# Altium PCB PicoHAL.pcbdoc (part 3 of 5)
Units mm, origin at the board's own origin, x right, y up, seen from the top; angles counter-clockwise.
Board outline 53.34 x 73.15 mm, 4 copper layers (Top Layer, GND, PWR, Bottom Layer), stack 1.807 mm thick; 173 components, 120 nets, 5460 pads, 269 vias.
Unrouted connection lines stored in the file: 1.
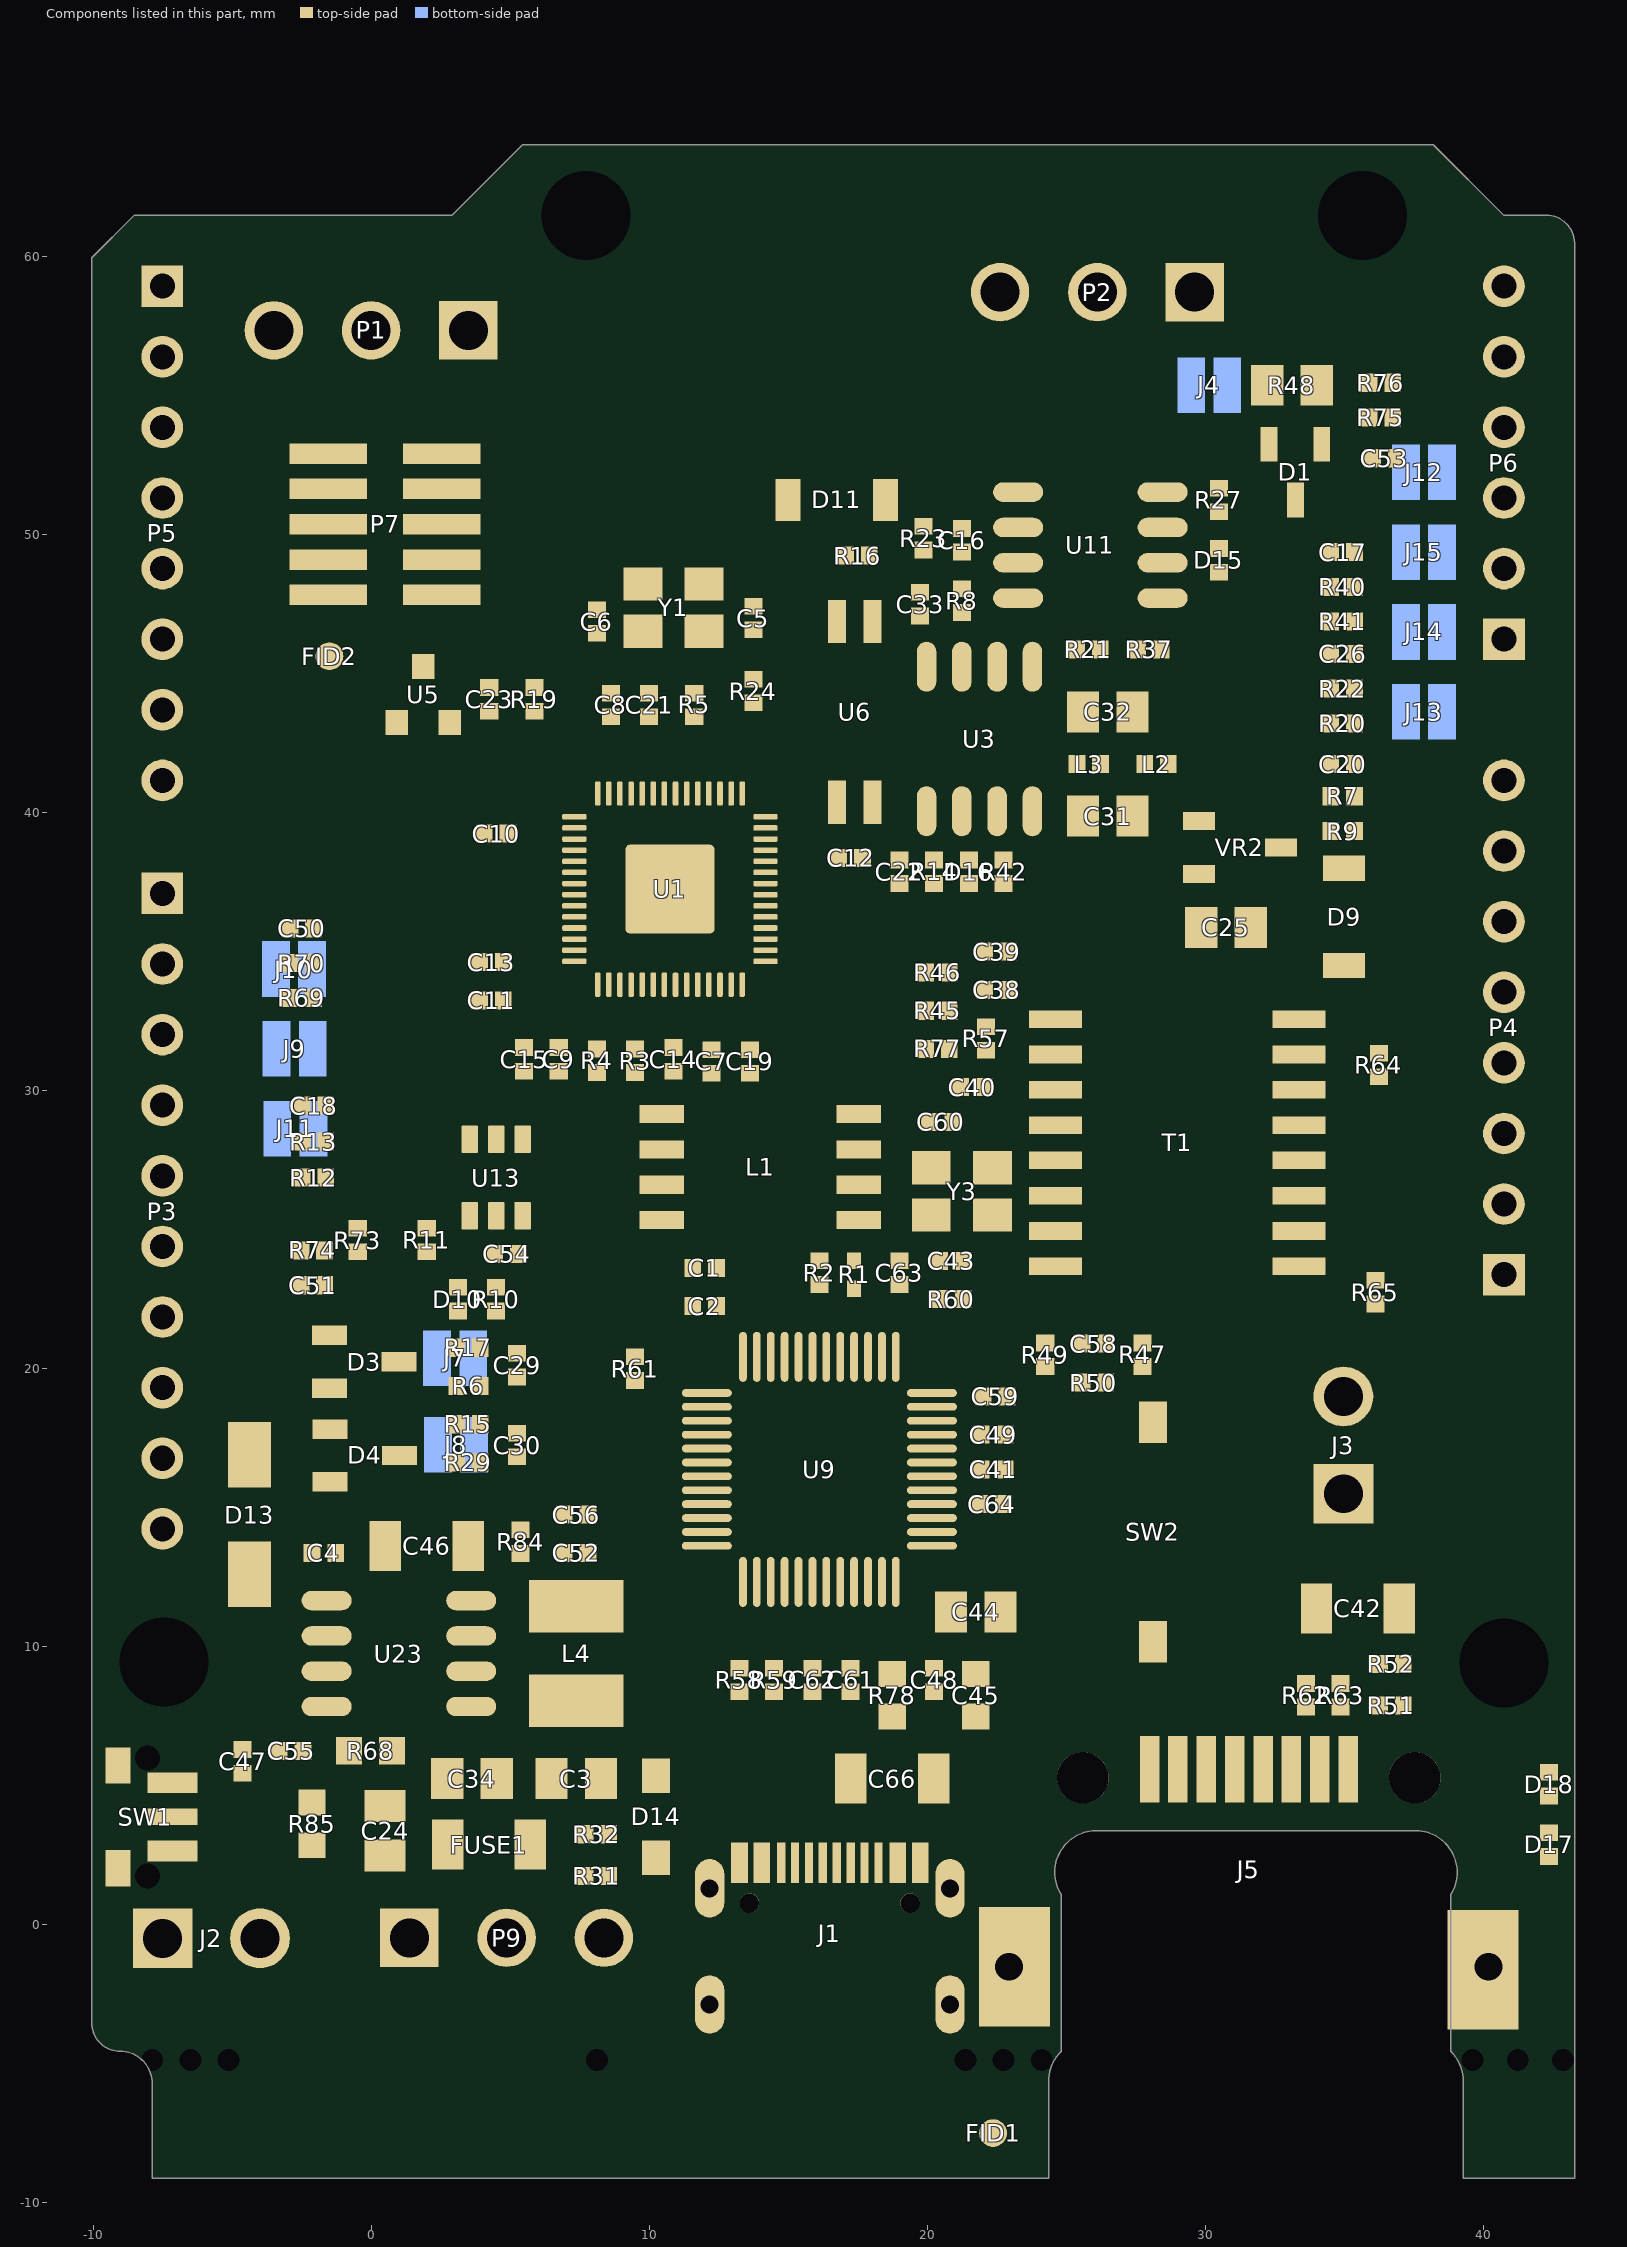
[diagram p5: the components of this part, seen from the top]

## Free pads (board coordinates) (continued)
  round 0.024 on Bottom Overlay: 1(10.134,43.701) 1(10.134,43.701) 1(10.14,43.675) 1(10.14,43.675) 1(10.179,43.636) 1(10.179,43.636) 1(10.179,43.714) 1(10.179,43.714) 1(10.237,43.61) 1(10.237,43.61) 1(10.282,43.578) 1(10.282,43.578) 1(10.327,43.565) 1(10.327,43.565) 1(10.34,43.694) 1(10.34,43.694) 1(10.379,43.533) 1(10.379,43.533) 1(10.411,43.527) 1(10.411,43.527) 1(10.424,43.514) 1(10.424,43.514) 1(10.456,43.507) 1(10.456,43.507) 1(10.521,43.649) 1(10.521,43.649) 1(10.559,43.449) 1(10.559,43.449) 1(10.592,43.443) 1(10.592,43.443) 1(10.624,43.424) 1(10.624,43.424) 1(10.656,43.417) 1(10.656,43.417) 1(10.669,43.404) 1(10.669,43.404) 1(10.701,43.398) 1(10.701,43.398) 1(10.727,43.378) 1(10.727,43.378) 1(10.759,43.372) 1(10.759,43.372) 1(10.759,43.591) 1(10.759,43.591) 1(10.804,43.346) 1(10.804,43.346) 1(10.836,43.339) 1(10.836,43.339) 1(10.85,43.327) 1(10.85,43.327) 1(10.882,43.32) 1(10.882,43.32) 1(10.907,40.051) 1(10.907,40.051) 1(10.914,40.071) 1(10.914,40.071) 1(10.914,40.161) 1(10.914,40.161) 1(10.914,43.301) 1(10.914,43.301) 1(10.921,40.071) 1(10.921,40.071) 1(10.921,40.148) 1(10.921,40.148) 1(10.927,40.155) 1(10.927,40.155) 1(10.927,40.161) 1(10.927,40.161) 1(10.927,40.116) 1(10.927,40.116) 1(10.933,40.116) 1(10.933,40.116) 1(10.933,40.18) 1(10.933,40.18) 1(10.946,43.295) 1(10.946,43.295) 1(10.946,40.18) 1(10.946,40.18) 1(10.959,40.064) 1(10.959,40.064) 1(10.998,40.239) 1(10.998,40.239) 1(10.998,43.269) 1(10.998,43.269) 1(11.004,40.09) 1(11.004,40.09) 1(11.011,40.239) 1(11.011,40.239) 1(11.017,40.11) 1(11.017,40.11) 1(11.03,43.262) 1(11.03,43.262) 1(11.036,40.116) 1(11.036,40.116) 1(11.055,40.136) 1(11.055,40.136) 1(11.062,43.243) 1(11.062,43.243) 1(11.069,40.303) 1(11.069,40.303) 1(11.082,40.303) 1(11.082,40.303) 1(11.094,43.237) 1(11.094,43.237) 1(11.101,40.155) 1(11.101,40.155) 1(11.107,43.224) 1(11.107,43.224) 1(11.12,40.348) 1(11.12,40.348) 1(11.126,40.18) 1(11.126,40.18) 1(11.133,40.348) 1(11.133,40.348) 1(11.14,43.217) 1(11.14,43.217) 1(11.146,40.187) 1(11.146,40.187) 1(11.152,40.2) 1(11.152,40.2) 1(11.172,43.198) 1(11.172,43.198) 1(11.172,40.207) 1(11.172,40.207) 1(11.198,40.232) 1(11.198,40.232) 1(11.204,43.191) 1(11.204,43.191) 1(11.217,40.239) 1(11.217,40.239) 1(11.236,43.172) 1(11.236,43.172) 1(11.243,40.264) 1(11.243,40.264) 1(11.262,40.271) 1(11.262,40.271) 1(11.269,40.284) 1(11.269,40.284) 1(11.269,40.49) 1(11.269,40.49) 1(11.269,43.166) 1(11.269,43.166) 1(11.281,40.49) 1(11.281,40.49) 1(11.288,40.29) 1(11.288,40.29) 1(11.294,40.303) 1(11.294,40.303) 1(11.313,40.309) 1(11.313,40.309) 1(11.32,40.322) 1(11.32,40.322) 1(11.32,40.535) 1(11.32,40.535) 1(11.32,43.14) 1(11.32,43.14) 1(11.333,40.535) 1(11.333,40.535) 1(11.34,40.329) 1(11.34,40.329) 1(11.352,40.348) 1(11.352,40.348) 1(11.352,43.133) 1(11.352,43.133) 1(11.365,43.43) 1(11.365,43.43) 1(11.372,40.355) 1(11.372,40.355) 1(11.378,40.368) 1(11.378,40.368) 1(11.384,43.114) 1(11.384,43.114) 1(11.397,40.374) 1(11.397,40.374) 1(11.41,43.424) 1(11.41,43.424) 1(11.41,40.393) 1(11.41,40.393) 1(11.417,43.108) 1(11.417,43.108) 1(11.423,40.632) 1(11.423,40.632) 1(11.43,40.4) 1(11.43,40.4) 1(11.436,40.632) 1(11.436,40.632) 1(11.449,43.088) 1(11.449,43.088) 1(11.455,40.426) 1(11.455,40.426) 1(11.455,43.404) 1(11.455,43.404) 1(11.475,40.432) 1(11.475,40.432) 1(11.481,40.445) 1(11.481,40.445) 1(11.481,43.082) 1(11.481,43.082) 1(11.501,40.451) 1(11.501,40.451) 1(11.513,43.062) 1(11.513,43.062) 1(11.526,40.477) 1(11.526,40.477) 1(11.526,43.391) 1(11.526,43.391) 1(11.546,40.484) 1(11.546,40.484) 1(11.546,40.748) 1(11.546,40.748) 1(11.546,43.056) 1(11.546,43.056) 1(11.552,40.497) 1(11.552,40.497) 1(11.559,40.748) 1(11.559,40.748) 1(11.571,40.503) 1(11.571,40.503) 1(11.571,43.372) 1(11.571,43.372) 1(11.578,40.516) 1(11.578,40.516) 1(11.578,43.037) 1(11.578,43.037) 1(11.597,40.522) 1(11.597,40.522) 1(11.61,43.03) 1(11.61,43.03) 1(11.617,40.812) 1(11.617,40.812) 1(11.617,43.366) 1(11.617,43.366) 1(11.623,40.548) 1(11.623,40.548) 1(11.63,40.812) 1(11.63,40.812) 1(11.642,40.555) 1(11.642,40.555) 1(11.642,43.011) 1(11.642,43.011) 1(11.649,40.567) 1(11.649,40.567) 1(11.662,43.346) 1(11.662,43.346) 1(11.668,40.574) 1(11.668,40.574) 1(11.675,40.587) 1(11.675,40.587) 1(11.675,40.864) 1(11.675,40.864) 1(11.675,43.005) 1(11.675,43.005) 1(11.688,40.864) 1(11.688,40.864) 1(11.694,40.593) 1(11.694,40.593) 1(11.707,42.985) 1(11.707,42.985) 1(11.707,43.339) 1(11.707,43.339) 1(11.72,40.619) 1(11.72,40.619) 1(11.739,40.626) 1(11.739,40.626) 1(11.746,40.638) 1(11.746,40.638) 1(11.752,43.32) 1(11.752,43.32) 1(11.765,40.645) 1(11.765,40.645) 1(11.771,40.658) 1(11.771,40.658) 1(11.778,42.966) 1(11.778,42.966) 1(11.791,40.664) 1(11.791,40.664) 1(11.797,43.314) 1(11.797,43.314) 1(11.797,40.677) 1(11.797,40.677) 1(11.817,40.684) 1(11.817,40.684) 1(11.823,40.696) 1(11.823,40.696) 1(11.836,41.018) 1(11.836,41.018) 1(11.842,40.703) 1(11.842,40.703) 1(11.842,43.295) 1(11.842,43.295) 1(11.849,40.716) 1(11.849,40.716) 1(11.849,41.018) 1(11.849,41.018) 1(11.849,42.934) 1(11.849,42.934) 1(11.868,40.722) 1(11.868,40.722) 1(11.875,40.735) 1(11.875,40.735) 1(11.888,43.288) 1(11.888,43.288) 1(11.888,41.064) 1(11.888,41.064) 1(11.894,40.741) 1(11.894,40.741) 1(11.9,40.755) 1(11.9,40.755) 1(11.9,41.064) 1(11.9,41.064) 1(11.92,42.914) 1(11.92,42.914) 1(11.92,40.761) 1(11.92,40.761) 1(11.926,40.774) 1(11.926,40.774) 1(11.932,43.269) 1(11.932,43.269) 1(11.946,40.78) 1(11.946,40.78) 1(11.952,40.793) 1(11.952,40.793) 1(11.971,40.799) 1(11.971,40.799) 1(11.978,41.147) 1(11.978,41.147) 1(11.978,43.262) 1(11.978,43.262) 1(11.984,40.819) 1(11.984,40.819) 1(11.99,42.882) 1(11.99,42.882) 1(11.99,41.147) 1(11.99,41.147) 1(12.003,40.825) 1(12.003,40.825) 1(12.023,43.243) 1(12.023,43.243) 1(12.029,40.851) 1(12.029,40.851) 1(12.049,40.857) 1(12.049,40.857) 1(12.055,40.87) 1(12.055,40.87) 1(12.074,40.877) 1(12.074,40.877) 1(12.081,40.89) 1(12.081,40.89) 1(12.094,43.23) 1(12.094,43.23) 1(12.1,40.896) 1(12.1,40.896) 1(12.107,40.909) 1(12.107,40.909) 1(12.113,41.276) 1(12.113,41.276) 1(12.113,43.217) 1(12.113,43.217) 1(12.126,40.916) 1(12.126,40.916) 1(12.126,41.276) 1(12.126,41.276) 1(12.139,42.837) 1(12.139,42.837) 1(12.152,40.941) 1(12.152,40.941) 1(12.158,43.211) 1(12.158,43.211) 1(12.171,40.948) 1(12.171,40.948) 1(12.171,42.818) 1(12.171,42.818) 1(12.178,40.961) 1(12.178,40.961) 1(12.19,41.347) 1(12.19,41.347) 1(12.197,40.967) 1(12.197,40.967) 1(12.203,40.98) 1(12.203,40.98) 1(12.203,41.347) 1(12.203,41.347) 1(12.203,42.811) 1(12.203,42.811) 1(12.203,43.191) 1(12.203,43.191) 1(12.223,40.986) 1(12.223,40.986) 1(12.229,40.999) 1(12.229,40.999) 1(12.236,42.791) 1(12.236,42.791) 1(12.248,41.006) 1(12.248,41.006) 1(12.248,43.185) 1(12.248,43.185) 1(12.255,41.018) 1(12.255,41.018) 1(12.268,43.172) 1(12.268,43.172) 1(12.274,41.025) 1(12.274,41.025) 1(12.28,41.038) 1(12.28,41.038) 1(12.3,41.045) 1(12.3,41.045) 1(12.307,41.057) 1(12.307,41.057) 1(12.313,43.166) 1(12.313,43.166) 1(12.326,41.064) 1(12.326,41.064) 1(12.332,41.077) 1(12.332,41.077) 1(12.352,41.083) 1(12.352,41.083) 1(12.352,41.502) 1(12.352,41.502) 1(12.358,41.096) 1(12.358,41.096) 1(12.358,43.146) 1(12.358,43.146) 1(12.365,41.502) 1(12.365,41.502) 1(12.377,41.103) 1(12.377,41.103) 1(12.403,41.128) 1(12.403,41.128) 1(12.403,43.14) 1(12.403,43.14) 1(12.423,41.135) 1(12.423,41.135) 1(12.423,41.566) 1(12.423,41.566) 1(12.436,41.566) 1(12.436,41.566) 1(12.442,42.727) 1(12.442,42.727) 1(12.448,41.161) 1(12.448,41.161) 1(12.468,41.167) 1(12.468,41.167) 1(12.468,43.114) 1(12.468,43.114) 1(12.494,41.193) 1(12.494,41.193) 1(12.513,41.199) 1(12.513,41.199) 1(12.513,42.695) 1(12.513,42.695) 1(12.513,43.108) 1(12.513,43.108) 1(12.519,41.657) 1(12.519,41.657) 1(12.519,41.212) 1(12.519,41.212) 1(12.532,41.657) 1(12.532,41.657) 1(12.538,41.218) 1(12.538,41.218) 1(12.545,41.232) 1(12.545,41.232) 1(12.565,41.238) 1(12.565,41.238) 1(12.571,41.251) 1(12.571,41.251) 1(12.577,43.082) 1(12.577,43.082) 1(12.59,41.722) 1(12.59,41.722) 1(12.59,41.257) 1(12.59,41.257) 1(12.597,41.27) 1(12.597,41.27) 1(12.603,41.722) 1(12.603,41.722) 1(12.603,42.669) 1(12.603,42.669) 1(12.616,41.276) 1(12.616,41.276) 1(12.623,43.076) 1(12.623,43.076) 1(12.629,41.296) 1(12.629,41.296) 1(12.642,43.062) 1(12.642,43.062) 1(12.648,41.303) 1(12.648,41.303) 1(12.667,41.792) 1(12.667,41.792) 1(12.674,41.328) 1(12.674,41.328) 1(12.674,42.637) 1(12.674,42.637) 1(12.68,41.792) 1(12.68,41.792) 1(12.687,43.056) 1(12.687,43.056) 1(12.694,41.335) 1(12.694,41.335) 1(12.7,41.347) 1(12.7,41.347) 1(12.719,41.354) 1(12.719,41.354) 1(12.732,41.851) 1(12.732,41.851) 1(12.732,43.037) 1(12.732,43.037) 1(12.745,41.38) 1(12.745,41.38) 1(12.745,41.851) 1(12.745,41.851) 1(12.764,41.386) 1(12.764,41.386) 1(12.764,42.611) 1(12.764,42.611) 1(12.771,41.399) 1(12.771,41.399) 1(12.777,43.03) 1(12.777,43.03) 1(12.79,41.405) 1(12.79,41.405) 1(12.809,41.425) 1(12.809,41.425) 1(12.823,43.011) 1(12.823,43.011) 1(12.829,41.431) 1(12.829,41.431) 1(12.835,42.579) 1(12.835,42.579) 1(12.842,41.953) 1(12.842,41.953) 1(12.855,41.457) 1(12.855,41.457) 1(12.855,41.953) 1(12.855,41.953) 1(12.867,43.005) 1(12.867,43.005) 1(12.874,41.464) 1(12.874,41.464) 1(12.887,41.992) 1(12.887,41.992) 1(12.893,41.992) 1(12.893,41.992) 1(12.893,41.483) 1(12.893,41.483) 1(12.9,42.012) 1(12.9,42.012) 1(12.913,41.489) 1(12.913,41.489) 1(12.913,42.012) 1(12.913,42.012) 1(12.913,42.985) 1(12.913,42.985) 1(12.919,41.502) 1(12.919,41.502) 1(12.925,42.553) 1(12.925,42.553) 1(12.938,41.509) 1(12.938,41.509) 1(12.951,42.057) 1(12.951,42.057) 1(12.957,41.528) 1(12.957,41.528) 1(12.957,42.979) 1(12.957,42.979) 1(12.964,42.057) 1(12.964,42.057) 1(12.977,41.534) 1(12.977,41.534) 1(12.984,41.547) 1(12.984,41.547) 1(12.984,42.082) 1(12.984,42.082) 1(12.996,42.082) 1(12.996,42.082) 1(13.003,41.554) 1(13.003,41.554) 1(13.003,42.959) 1(13.003,42.959) 1(13.029,41.58) 1(13.029,41.58) 1(13.048,41.586) 1(13.048,41.586) 1(13.061,42.153) 1(13.061,42.153) 1(13.074,41.612) 1(13.074,41.612) 1(13.074,42.153) 1(13.074,42.153) 1(13.074,42.947) 1(13.074,42.947) 1(13.093,41.618) 1(13.093,41.618) 1(13.093,42.495) 1(13.093,42.495) 1(13.093,42.934) 1(13.093,42.934) 1(13.113,41.638) 1(13.113,41.638) 1(13.113,42.199) 1(13.113,42.199) 1(13.125,42.199) 1(13.125,42.199) 1(13.132,41.644) 1(13.132,41.644) 1(13.138,41.657) 1(13.138,41.657) 1(13.138,42.927) 1(13.138,42.927) 1(13.157,41.663) 1(13.157,41.663) 1(13.171,42.25) 1(13.171,42.25) 1(13.183,42.908) 1(13.183,42.908) 1(13.183,42.25) 1(13.183,42.25) 1(13.183,41.689) 1(13.183,41.689) 1(13.203,41.695) 1(13.203,41.695) 1(13.222,42.295) 1(13.222,42.295) 1(13.228,41.722) 1(13.228,41.722) 1(13.228,42.901) 1(13.228,42.901) 1(13.235,42.295) 1(13.235,42.295) 1(13.248,41.728) 1(13.248,41.728) 1(13.254,41.741) 1(13.254,41.741) 1(13.261,42.328) 1(13.261,42.328) 1(13.274,41.747) 1(13.274,41.747) 1(13.274,42.328) 1(13.274,42.328) 1(13.28,41.76) 1(13.28,41.76) 1(13.293,42.876) 1(13.293,42.876) 1(13.299,41.766) 1(13.299,41.766) 1(13.306,41.78) 1(13.306,41.78) 1(13.325,41.786) 1(13.325,41.786) 1(13.332,41.799) 1(13.332,41.799) 1(13.332,42.392) 1(13.332,42.392) 1(13.338,42.869) 1(13.338,42.869) 1(13.344,42.392) 1(13.344,42.392) 1(13.351,41.805) 1(13.351,41.805) 1(13.351,42.405) 1(13.351,42.405) 1(13.357,41.818) 1(13.357,41.818) 1(13.376,41.824) 1(13.376,41.824) 1(13.383,41.837) 1(13.383,41.837) 1(13.383,42.85) 1(13.383,42.85) 1(13.403,41.844) 1(13.403,41.844) 1(13.428,42.843) 1(13.428,42.843) 1(13.454,41.876) 1(13.454,41.876) 1(13.473,42.824) 1(13.473,42.824) 1(13.48,41.902) 1(13.48,41.902) 1(13.499,41.909) 1(13.499,41.909) 1(13.519,41.928) 1(13.519,41.928) 1(13.519,42.818) 1(13.519,42.818) 1(13.538,41.934) 1(13.538,41.934) 1(13.544,41.947) 1(13.544,41.947) 1(13.564,41.953) 1(13.564,41.953) 1(13.564,42.798) 1(13.564,42.798) 1(13.583,41.973) 1(13.583,41.973) 1(13.602,41.98) 1(13.602,41.98) 1(13.609,42.791) 1(13.609,42.791) 1(13.628,42.005) 1(13.628,42.005) 1(13.647,42.012) 1(13.647,42.012) 1(13.654,42.772) 1(13.654,42.772) 1(13.667,42.031) 1(13.667,42.031) 1(13.686,42.037) 1(13.686,42.037) 1(13.712,42.063) 1(13.712,42.063) 1(13.731,42.07) 1(13.731,42.07) 1(13.751,42.089) 1(13.751,42.089) 1(13.757,42.747) 1(13.757,42.747) 1(13.763,42.759) 1(13.763,42.759) 1(13.77,42.095) 1(13.77,42.095) 1(13.776,42.759) 1(13.776,42.759) 1(13.79,42.115) 1(13.79,42.115) 1(13.79,42.779) 1(13.79,42.779) 1(13.802,42.779) 1(13.802,42.779) 1(13.809,42.121) 1(13.809,42.121) 1(13.828,42.141) 1(13.828,42.141) 1(13.828,42.811) 1(13.828,42.811) 1(13.841,42.811) 1(13.841,42.811) 1(13.847,42.147) 1(13.847,42.147) 1(13.847,42.824) 1(13.847,42.824) 1(13.86,42.824) 1(13.86,42.824) 1(13.867,42.166) 1(13.867,42.166) 1(13.886,42.173) 1(13.886,42.173) 1(13.912,42.199) 1(13.912,42.199) 1(13.912,42.882) 1(13.912,42.882) 1(13.925,42.882) 1(13.925,42.882) 1(13.931,42.205) 1(13.931,42.205) 1(13.938,42.901) 1(13.938,42.901) 1(13.951,42.901) 1(13.951,42.901) 1(13.951,42.211) 1(13.951,42.211) 1(13.963,42.92) 1(13.963,42.92) 1(13.976,42.92) 1(13.976,42.92) 1(13.989,42.94) 1(13.989,42.94) 1(14.002,42.94) 1(14.002,42.94) 1(14.028,42.972) 1(14.028,42.972) 1(14.041,42.972) 1(14.041,42.972) 1(14.067,43.005) 1(14.067,43.005) 1(14.08,43.005) 1(14.08,43.005) 1(14.099,43.03) 1(14.099,43.03) 1(14.112,43.03) 1(14.112,43.03) 1(14.138,43.062) 1(14.138,43.062) 1(14.144,42.141) 1(14.144,42.141) 1(14.15,43.062) 1(14.15,43.062) 1(14.163,43.082) 1(14.163,43.082) 1(14.176,43.082) 1(14.176,43.082) 1(14.189,42.134) 1(14.189,42.134) 1(14.189,43.101) 1(14.189,43.101) 1(14.202,43.101) 1(14.202,43.101) 1(14.215,43.12) 1(14.215,43.12) 1(14.228,43.12) 1(14.228,43.12) 1(14.234,42.115) 1(14.234,42.115) 1(14.241,43.14) 1(14.241,43.14) 1(14.253,43.14) 1(14.253,43.14) 1(14.267,43.159) 1(14.267,43.159) 1(14.279,42.108) 1(14.279,42.108) 1(14.279,43.159) 1(14.279,43.159) 1(14.292,43.178) 1(14.292,43.178) 1(14.305,43.178) 1(14.305,43.178) 1(14.331,43.211) 1(14.331,43.211) 1(14.344,43.211) 1(14.344,43.211) 1(14.37,43.243) 1(14.37,43.243) 1(14.382,43.243) 1(14.382,43.243) 1(14.395,43.262) 1(14.395,43.262) 1(14.408,43.262) 1(14.408,43.262) 1(14.421,43.282) 1(14.421,43.282) 1(14.434,43.282) 1(14.434,43.282) 1(14.447,43.301) 1(14.447,43.301) 1(14.46,42.044) 1(14.46,42.044) 1(14.46,43.301) 1(14.46,43.301) 1(14.467,42.553) 1(14.467,42.553) 1(14.473,43.32) 1(14.473,43.32) 1(14.473,42.572) 1(14.473,42.572) 1(14.486,43.32) 1(14.486,43.32) 1(14.492,42.579) 1(14.492,42.579) 1(14.499,43.339) 1(14.499,43.339) 1(14.505,42.037) 1(14.505,42.037) 1(14.511,43.339) 1(14.511,43.339) 1(14.524,43.359) 1(14.524,43.359) 1(14.537,42.534) 1(14.537,42.534) 1(14.537,43.359) 1(14.537,43.359) 1(14.544,42.611) 1(14.544,42.611) 1(14.55,43.378) 1(14.55,43.378) 1(14.563,42.012) 1(14.563,42.012) 1(14.563,42.63) 1(14.563,42.63) 1(14.563,43.378) 1(14.563,43.378) 1(14.576,43.398) 1(14.576,43.398) 1(14.582,42.528) 1(14.582,42.528) 1(14.582,42.637) 1(14.582,42.637) 1(14.589,43.398) 1(14.589,43.398) 1(14.601,42.656) 1(14.601,42.656) 1(14.601,43.417) 1(14.601,43.417) 1(14.608,42.005) 1(14.608,42.005) 1(14.615,43.417) 1(14.615,43.417) 1(14.621,43.43) 1(14.621,43.43) 1(14.621,42.663) 1(14.621,42.663) 1(14.634,43.43) 1(14.634,43.43) 1(14.64,42.682) 1(14.64,42.682) 1(14.64,43.443) 1(14.64,43.443) 1(14.647,41.986) 1(14.647,41.986) 1(14.653,42.501) 1(14.653,42.501) 1(14.653,43.443) 1(14.653,43.443) 1(14.66,42.689) 1(14.66,42.689) 1(14.66,43.456) 1(14.66,43.456) 1(14.673,43.456) 1(14.673,43.456) 1(14.679,42.708) 1(14.679,42.708) 1(14.686,43.475) 1(14.686,43.475) 1(14.692,41.98) 1(14.692,41.98) 1(14.698,42.714) 1(14.698,42.714) 1(14.698,43.475) 1(14.698,43.475) 1(14.711,43.495) 1(14.711,43.495) 1(14.718,42.734) 1(14.718,42.734) 1(14.724,42.489) 1(14.724,42.489) 1(14.724,43.495) 1(14.724,43.495) 1(14.737,43.514) 1(14.737,43.514) 1(14.737,41.96) 1(14.737,41.96) 1(14.737,42.74) 1(14.737,42.74) 1(14.75,43.514) 1(14.75,43.514) 1(14.763,43.533) 1(14.763,43.533) 1(14.776,43.533) 1(14.776,43.533) 1(14.782,41.953) 1(14.782,41.953) 1(14.782,42.772) 1(14.782,42.772) 1(14.782,43.546) 1(14.782,43.546) 1(14.795,43.546) 1(14.795,43.546) 1(14.801,42.779) 1(14.801,42.779) 1(14.801,43.559) 1(14.801,43.559) 1(14.815,43.559) 1(14.815,43.559) 1(14.821,43.572) 1(14.821,43.572) 1(14.821,42.457) 1(14.821,42.457) 1(14.827,41.934) 1(14.827,41.934) 1(14.834,43.572) 1(14.834,43.572) 1(14.84,43.585) 1(14.84,43.585) 1(14.847,42.811) 1(14.847,42.811) 1(14.853,43.585) 1(14.853,43.585) 1(14.866,42.818) 1(14.866,42.818) 1(14.866,43.604) 1(14.866,43.604) 1(14.873,41.928) 1(14.873,41.928) 1(14.879,43.604) 1(14.879,43.604) 1(14.892,43.624) 1(14.892,43.624) 1(14.905,43.624) 1(14.905,43.624) 1(14.918,41.909) 1(14.918,41.909) 1(14.918,42.437) 1(14.918,42.437) 1(14.918,42.856) 1(14.918,42.856) 1(14.93,43.649) 1(14.93,43.649) 1(14.937,42.862) 1(14.937,42.862) 1(14.944,43.649) 1(14.944,43.649) 1(14.956,42.882) 1(14.956,42.882) 1(14.963,41.902) 1(14.963,41.902) 1(14.963,42.418) 1(14.963,42.418) 1(14.963,43.668) 1(14.963,43.668) 1(14.976,42.888) 1(14.976,42.888) 1(14.976,43.668) 1(14.976,43.668) 1(14.982,43.682) 1(14.982,43.682) 1(14.995,42.908) 1(14.995,42.908) 1(14.995,43.682) 1(14.995,43.682) 1(15.001,43.694) 1(15.001,43.694) 1(15.008,41.883) 1(15.008,41.883) 1(15.015,43.694) 1(15.015,43.694) 1(15.015,42.914) 1(15.015,42.914) 1(15.027,43.714) 1(15.027,43.714) 1(15.034,42.405) 1(15.034,42.405) 1(15.034,42.934) 1(15.034,42.934) 1(15.04,43.714) 1(15.04,43.714) 1(15.053,41.876) 1(15.053,41.876) 1(15.053,42.94) 1(15.053,42.94) 1(15.053,43.733) 1(15.053,43.733) 1(15.066,43.733) 1(15.066,43.733) 1(15.072,42.959) 1(15.072,42.959) 1(15.092,43.759) 1(15.092,43.759) 1(15.098,41.857) 1(15.098,41.857) 1(15.105,42.379) 1(15.105,42.379) 1(15.105,43.759) 1(15.105,43.759) 1(15.117,42.979) 1(15.117,42.979) 1(15.124,43.778) 1(15.124,43.778) 1(15.137,43.778) 1(15.137,43.778) 1(15.144,43.791) 1(15.144,43.791) 1(15.156,43.791) 1(15.156,43.791) 1(15.163,43.804) 1(15.163,43.804) 1(15.163,43.011) 1(15.163,43.011) 1(15.169,41.844) 1(15.169,41.844) 1(15.176,43.804) 1(15.176,43.804) 1(15.188,43.823) 1(15.188,43.823) 1(15.195,42.366) 1(15.195,42.366) 1(15.195,43.024) 1(15.195,43.024) 1(15.201,43.823) 1(15.201,43.823) 1(15.214,43.843) 1(15.214,43.843) 1(15.227,43.843) 1(15.227,43.843) 1(15.24,41.818) 1(15.24,41.818) 1(15.24,42.347) 1(15.24,42.347) 1(15.24,43.049) 1(15.24,43.049) 1(15.253,43.868) 1(15.253,43.868) 1(15.266,43.868) 1(15.266,43.868) 1(15.285,41.812) 1(15.285,41.812) 1(15.285,43.887) 1(15.285,43.887) 1(15.292,43.088) 1(15.292,43.088) 1(15.298,42.34) 1(15.298,42.34) 1(15.298,43.887) 1(15.298,43.887) 1(15.305,43.901) 1(15.305,43.901) 1(15.311,43.095) 1(15.311,43.095) 1(15.317,43.901) 1(15.317,43.901) 1(15.324,43.914) 1(15.324,43.914) 1(15.33,41.792) 1(15.33,41.792) 1(15.337,43.914) 1(15.337,43.914) 1(15.343,42.321) 1(15.343,42.321) 1(15.343,43.926) 1(15.343,43.926) 1(15.356,43.926) 1(15.356,43.926) 1(15.356,43.127) 1(15.356,43.127) 1(15.363,43.939) 1(15.363,43.939) 1(15.375,41.786) 1(15.375,41.786) 1(15.375,43.939) 1(15.375,43.939) 1(15.382,43.952) 1(15.382,43.952) 1(15.388,43.14) 1(15.388,43.14) 1(15.395,43.952) 1(15.395,43.952) 1(15.401,43.965) 1(15.401,43.965) 1(15.414,43.965) 1(15.414,43.965) 1(15.421,41.766) 1(15.421,41.766) 1(15.434,43.166) 1(15.434,43.166) 1(15.459,43.997) 1(15.459,43.997) 1(15.466,41.76) 1(15.466,41.76) 1(15.478,42.289) 1(15.478,42.289) 1(15.478,43.191) 1(15.478,43.191) 1(15.511,41.741) 1(15.511,41.741) 1(15.511,44.03) 1(15.511,44.03) 1(15.524,43.217) 1(15.524,43.217) 1(15.524,44.03) 1(15.524,44.03) 1(15.543,44.049) 1(15.543,44.049) 1(15.556,41.734) 1(15.556,41.734) 1(15.556,44.049) 1(15.556,44.049) 1(15.563,44.062) 1(15.563,44.062) 1(15.569,43.243) 1(15.569,43.243) 1(15.575,42.27) 1(15.575,42.27) 1(15.575,44.062) 1(15.575,44.062) 1(15.601,41.715) 1(15.601,41.715) 1(15.614,43.269) 1(15.614,43.269) 1(15.62,44.094) 1(15.62,44.094) 1(15.646,41.709) 1(15.646,41.709) 1(15.659,43.295) 1(15.659,43.295) 1(15.672,42.237) 1(15.672,42.237) 1(15.672,44.126) 1(15.672,44.126) 1(15.685,44.126) 1(15.685,44.126) 1(15.692,41.689) 1(15.692,41.689) 1(15.704,44.145) 1(15.704,44.145) 1(15.717,44.145) 1(15.717,44.145) 1(15.736,44.165) 1(15.736,44.165) 1(15.736,41.683) 